# Altium PCB Fastino-DIOT.PCBDOC (part 18 of 22)
Units mm, origin at the board's own origin, x right, y up, seen from the top; angles counter-clockwise.
Board outline 222.63 x 100.1 mm, 8 copper layers (L1, L2, L3, P4, L5, L6, P7, L8), stack 1.563 mm thick; 1030 components, 787 nets, 3312 pads, 2498 vias.
Unrouted connection lines stored in the file: 424.
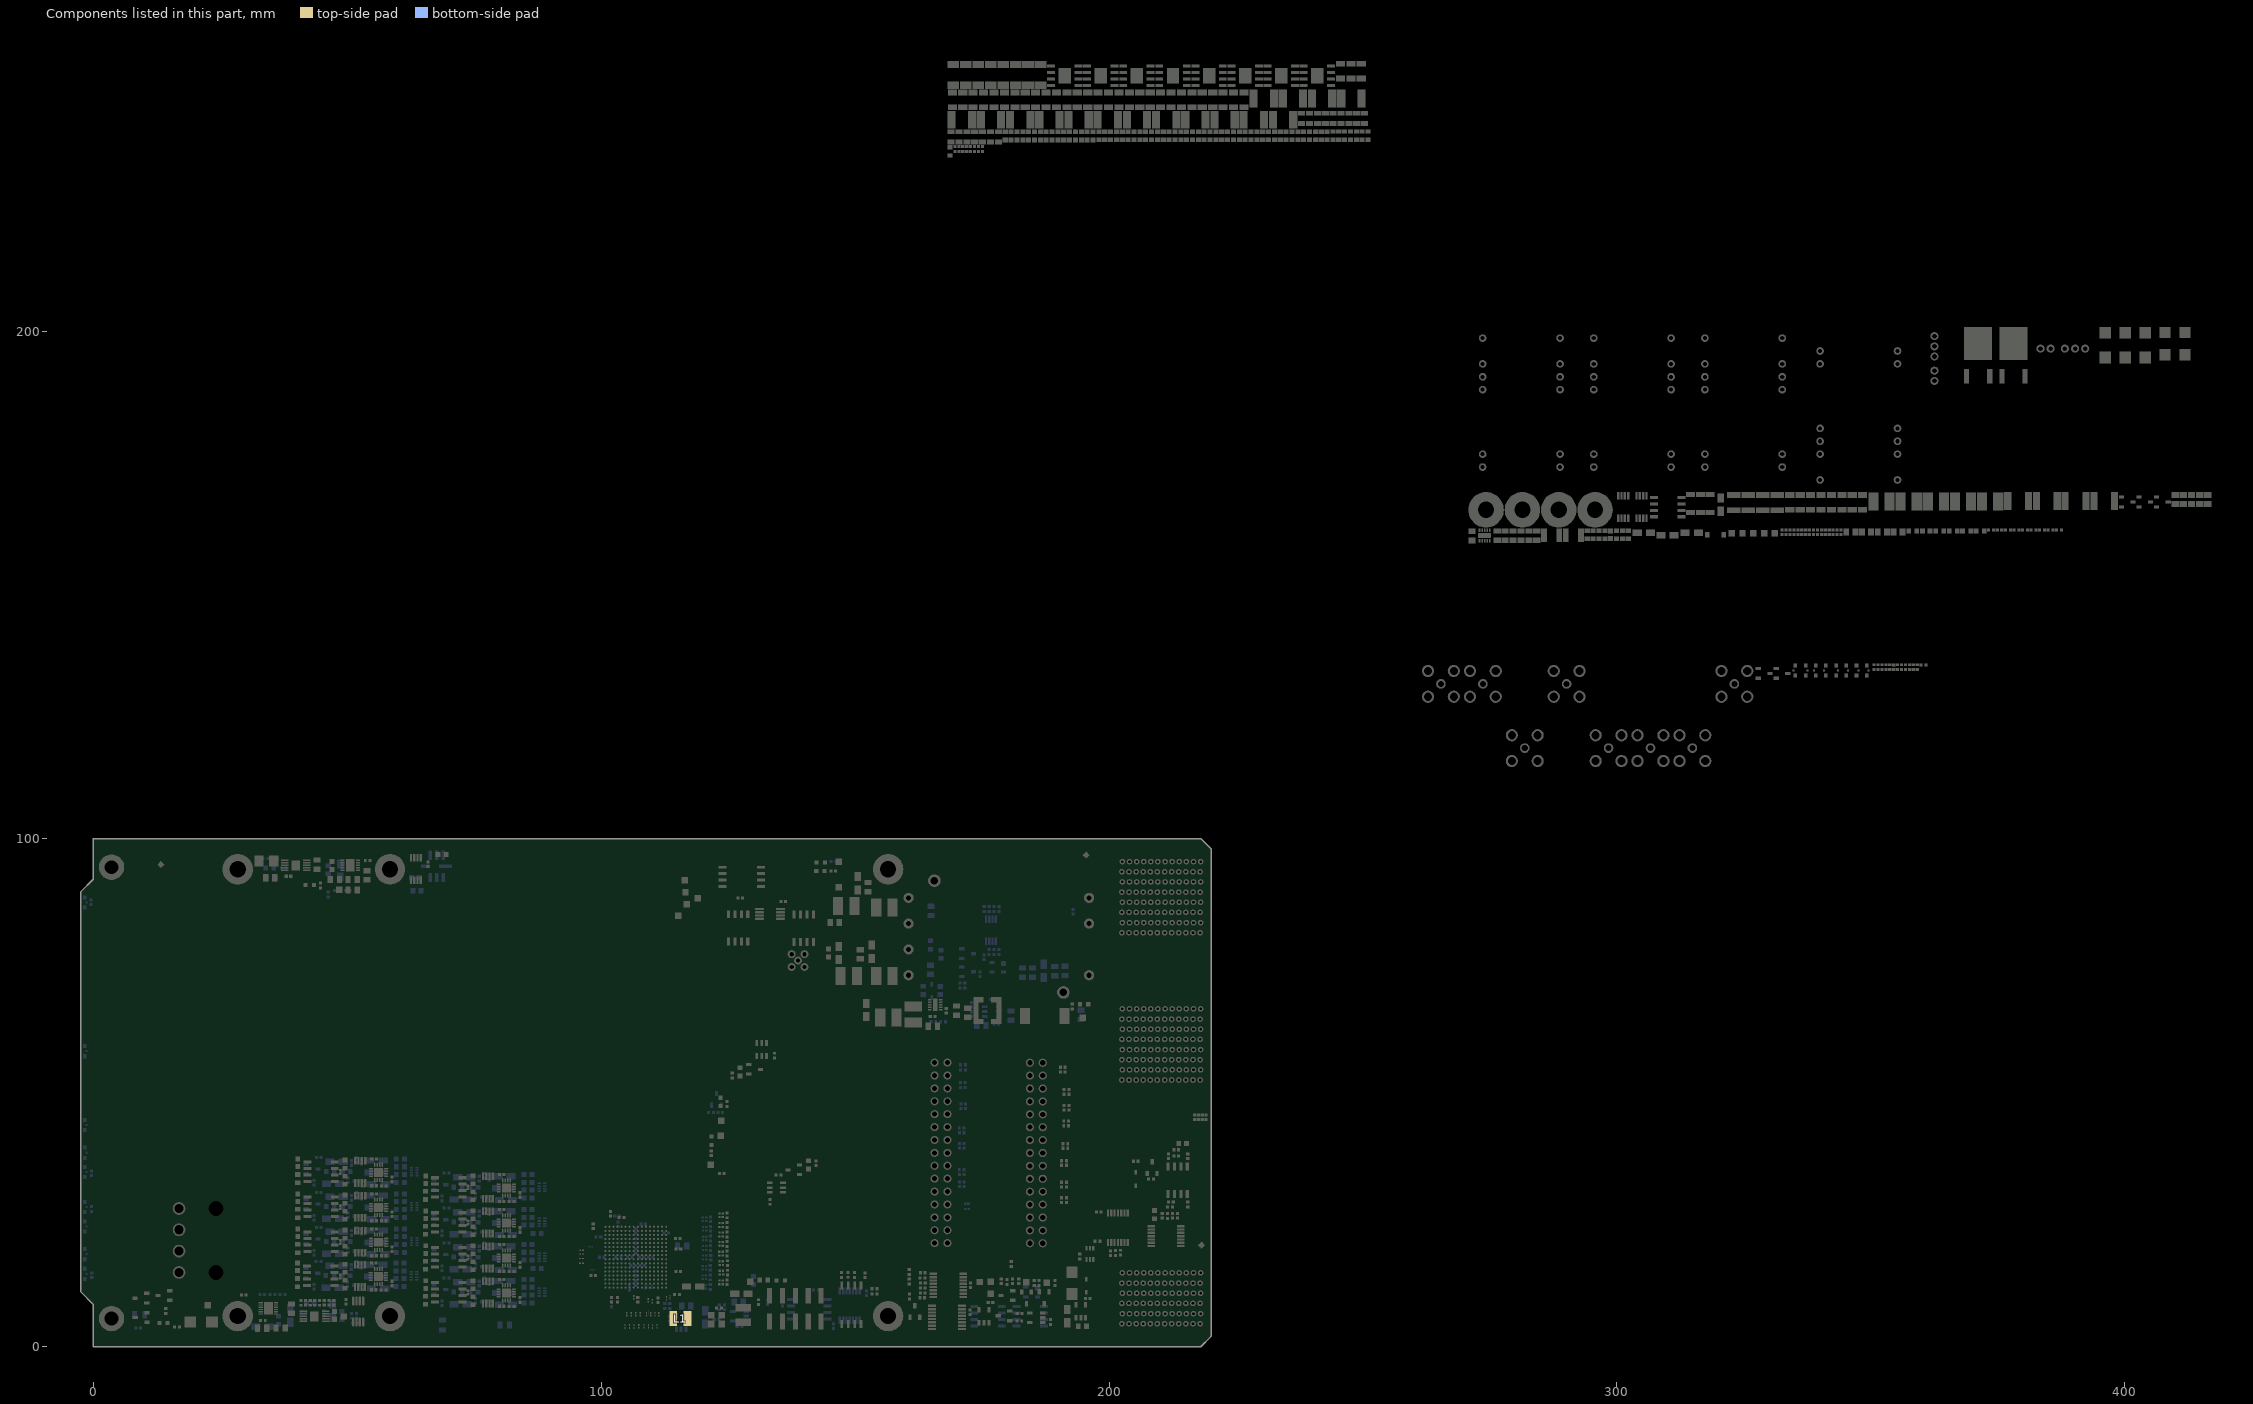
[diagram p24: the components of this part, seen from the top]

## Via types
v1: diameter 0.4, hole 0.2, L1 to L8, tented both sides, 1919 vias
v2: diameter 0.5, hole 0.2, L1 to L8, tented both sides, 270 vias
v3: diameter 0.4, hole 0.2, L1 to L8, 170 vias
v4: diameter 0.7, hole 0.4, L1 to L8, tented both sides, 110 vias
v5: diameter 0.7, hole 0.4, L1 to L8, 29 vias

## Nets (pads, with @x,y where several pads share a name; then routed paths per layer and width w, separated by ;. In a path a pad name is that pad's centre, name@x,y a point inside that pad or via, vN(x,y) a via of type N, cw(c..) or ccw(c..) an arc to the next point about the centre after c; other vN are vias at no path point) (continued)
copper on no net: (continued)
  L2 w0.152: v1(0.822,80.594) 0.447,80.219 0.447,63.663 0.734,63.375 0.734,54.726 0.167,54.159 0.167,46.375 0.432,46.111 0.432,39.356 0.308,39.232 0.308,32.703 0.167,32.563 0.167,29.007 0.483,28.692 0.483,23.1 1.502,22.081 1.502,17.571 1.224,17.293 v1(1.224,17.243) ; v1(1.507,23.041) 1.554,23.088 1.554,23.285 1.762,23.493 1.762,28.613 2.207,29.058 2.207,34.219 2.064,34.363 2.064,49.239 2.207,49.383 2.207,56.831 2.226,56.85 2.226,72.398 2.019,72.605 2.019,79.248 v1(2.35,79.578) ; v1(2.042,23.079) 2.042,28.498 2.487,28.943 2.487,34.335 2.343,34.479 2.343,49.124 2.487,49.267 2.487,56.715 2.505,56.734 2.505,60.474 2.746,60.715 v1(2.746,60.782) ; v1(2.848,23.079) 2.848,23.082 3.15,23.384 3.15,35.12 3.108,35.161 3.108,46.833 3.185,46.909 3.185,59.638 v1(3.553,60.006) ; v1(4.048,40.98) 4.001,40.932 4.001,40.579 3.645,40.223 3.645,39.886 3.854,39.676 3.854,29.58 4.089,29.345 v1(4.089,23.063) ; v1(4.08,75.489) v1(4.08,82.321) ; v1(4.953,23.079) 5.961,24.087 5.961,32.522 5.591,32.892 5.591,39.056 5.886,39.351 v1(5.886,39.367) ; v1(8.821,60.663) 8.821,61.111 9.392,61.681 9.392,63.336 9.451,63.395 9.451,67.812 8.966,68.298 8.966,74.387 9.83,75.251 v1(9.83,81.407) ; v1(9.017,59.628) 9.417,60.028 9.417,61.275 9.671,61.529 9.671,63.22 9.73,63.279 9.73,67.928 9.245,68.413 9.245,73.634 10.389,74.778 v1(10.389,81.001) ; v1(12.751,58.75) v1(12.751,61.097) ; v1(13.494,62.756) 13.494,62.689 13.592,62.591 13.592,62.183 13.86,61.915 14.239,61.915 14.249,61.925 19.228,61.925 20.879,63.576 21.195,63.576 21.783,64.165 22.677,64.165 23.348,63.494 23.348,63.175 23.258,63.086 22.567,63.086 23.348,62.306 23.348,61.911 23.615,61.643 25.626,61.643 26.924,62.941 26.924,67.462 27.475,68.013 28.803,69.341 28.981,69.52 28.981,77.292 29.334,77.645 29.334,81.886 30.937,83.489 30.937,84.963 33.553,87.579 36.932,87.579 43.291,81.22 45.03,81.22 46.525,79.725 55.95,79.725 56.52,80.295 58.02,80.295 58.55,80.825 60.12,80.825 62.434,78.511 66.498,78.511 69.216,75.794 80.112,75.794 80.721,76.403 83.147,76.403 83.15,76.4 83.236,76.314 83.447,76.314 83.541,76.22 85.161,76.22 86.385,77.445 90.025,77.445 93.375,74.095 95.779,74.095 95.945,73.93 v2(96.039,73.93) ; v1(14.021,62.738) 14.021,62.671 13.897,62.547 13.897,62.309 13.986,62.22 14.113,62.22 14.122,62.23 19.102,62.23 20.753,63.881 21.068,63.881 21.657,64.47 22.803,64.47 23.652,63.62 23.652,63.175 23.742,63.086 24.432,63.086 ; v1(14.199,37.236) 14.266,37.236 14.377,37.348 15.187,37.348 18.477,40.638 20.005,40.638 20.273,40.906 20.273,41.472 20.517,41.716 v1(20.517,41.758) ; v1(14.199,37.763) 14.266,37.763 14.377,37.652 15.061,37.652 18.351,40.943 19.879,40.943 19.968,41.032 v1(19.968,41.779) ; v1(14.224,83.637) 14.157,83.637 14.046,83.748 13.795,83.748 13.706,83.658 13.706,83.532 13.884,83.354 13.884,82.316 13.581,82.014 13.581,81.2 17.181,77.6 19.936,77.6 21.158,76.378 21.158,72.263 21.286,72.136 21.332,72.09 22.803,72.09 23.652,71.24 23.652,70.795 23.742,70.706 ; v1(14.224,84.163) 14.157,84.163 14.046,84.052 13.669,84.052 13.401,83.785 13.401,83.406 13.579,83.228 13.579,82.443 13.276,82.14 13.276,81.074 17.055,77.295 19.81,77.295 20.853,76.252 20.853,72.137 21.205,71.785 22.677,71.785 23.078,71.384 23.348,71.114 23.348,70.795 23.258,70.706 ; 14.275,44.981 16.512,44.981 16.557,44.936 17.123,44.936 17.169,44.981 18.658,44.981 19.301,45.624 19.606,45.624 19.717,45.513 v1(19.784,45.513) ; 14.275,45.286 16.602,45.286 16.673,45.215 17.007,45.215 17.078,45.286 18.532,45.286 19.175,45.929 19.606,45.929 19.717,46.04 v1(19.784,46.04) ; v1(14.326,57.236) 14.259,57.236 14.148,57.348 13.771,57.348 13.503,57.615 13.503,58.308 14.2,59.005 16.55,59.005 16.572,59.026 17.032,59.026 18.147,57.911 19.664,57.911 19.841,58.089 19.841,58.246 v1(19.888,58.293) ; v1(14.326,57.763) 14.259,57.763 14.148,57.652 13.897,57.652 13.808,57.742 13.808,58.182 14.326,58.7 16.55,58.7 16.572,58.722 16.906,58.722 18.021,57.607 19.79,57.607 20.056,57.873 20.213,57.873 v1(20.261,57.92) ; v1(14.351,63.636) 13.783,63.636 13.404,64.015 13.404,64.863 13.971,65.43 17.368,65.43 17.505,65.294 19.99,65.294 20.101,65.405 v1(20.168,65.405) ; v1(14.351,64.163) 14.304,64.116 14.014,64.116 13.95,64.052 13.798,64.052 13.709,64.142 13.709,64.737 14.097,65.126 17.242,65.126 17.378,64.989 19.99,64.989 20.101,64.878 v1(20.168,64.878) ; v1(19.199,35.69) 19.266,35.69 19.498,35.922 19.745,35.922 19.915,36.092 21.615,36.092 21.667,36.144 25.332,36.144 27.534,33.943 27.534,31.749 28.054,31.229 28.575,30.708 28.575,23.474 33.556,18.493 34.429,18.493 34.561,18.626 35.129,18.626 35.307,18.447 35.433,18.447 36.532,19.546 ; v1(19.533,43.809) 19.533,43.827 19.626,43.92 20.221,43.92 20.752,44.451 20.752,45.415 21.781,46.445 25.132,46.445 29.305,42.272 30.759,40.818 30.759,35.637 32.829,33.567 32.968,33.428 34.555,33.428 34.688,33.561 35.002,33.561 35.092,33.472 35.092,33.345 33.992,32.246 ; v1(19.533,44.336) 19.533,44.318 19.626,44.225 20.095,44.225 20.447,44.577 20.447,45.541 21.655,46.75 25.259,46.75 29.629,42.38 31.064,40.944 31.064,35.763 33.094,33.733 34.429,33.733 34.561,33.866 35.129,33.866 35.307,33.687 35.433,33.687 36.532,34.786 36.532,34.367 36.093,33.928 36.093,33.916 35.997,33.82 35.997,33.693 36.086,33.604 36.876,33.604 38.883,35.612 38.883,43.479 40.006,44.602 45.619,44.602 46.559,45.542 58.114,45.542 58.366,45.291 58.481,45.175 62.915,45.175 63.316,44.774 69.196,44.774 70.328,43.642 71.303,43.642 71.578,43.917 71.578,44.399 70.955,45.023 70.423,45.023 70.258,44.857 v2(70.164,44.857) ; v1(19.558,37.636) 19.625,37.636 19.736,37.748 20.143,37.748 20.411,38.015 20.411,38.254 20.477,38.319 ; v1(19.558,38.163) 19.625,38.163 19.736,38.052 20.017,38.052 20.106,38.142 20.106,38.38 20.528,38.801 27.842,38.801 29.534,37.109 29.534,32.675 33.556,28.653 34.426,28.653 35.35,27.729 35.35,26.72 35.44,26.631 35.578,26.631 36.114,27.166 36.916,27.166 37.541,27.791 37.541,28.445 ; v1(19.572,35.318) 20.041,35.787 21.742,35.787 21.794,35.839 25.206,35.839 27.229,33.817 27.229,31.623 27.731,31.121 28.27,30.582 28.27,23.348 33.43,18.188 34.555,18.188 34.688,18.321 35.002,18.321 35.092,18.232 35.092,18.105 33.992,17.006 ; v1@19.587,55.885 v1(19.587,55.952) 19.52,55.952 19.409,56.064 17.436,56.064 16.096,54.724 16.096,51.214 16.358,50.952 17.196,50.114 26.493,50.114 31.75,55.371 31.75,58.445 32.644,59.34 35.326,59.34 36.532,60.546 36.532,60.154 36.128,59.75 36.128,59.711 35.997,59.58 35.997,59.453 36.086,59.364 36.805,59.364 36.967,59.526 38.38,59.526 39.734,60.88 45.051,60.88 46.265,59.666 51.525,59.666 52.099,59.092 55.636,59.092 56.469,59.925 57.788,59.925 58.049,60.186 61.276,60.186 64.185,57.277 65.583,57.277 67.385,55.475 73.103,55.475 73.833,56.205 83.401,56.205 83.691,55.916 83.756,55.85 84.533,55.85 84.552,55.869 85.866,55.869 87.629,54.106 87.629,52.6 89.913,50.317 97.484,50.317 97.739,50.571 97.739,52.213 96.517,53.435 96.298,53.435 96.133,53.27 v2(96.039,53.27) ; v1(19.686,47.486) 19.753,47.486 19.892,47.348 20.333,47.348 21.017,48.031 27.889,48.031 29.413,46.507 32.207,43.713 32.207,42.239 33.094,41.353 34.429,41.353 34.561,41.486 35.129,41.486 35.307,41.307 35.433,41.307 36.532,42.406 ; v1(19.784,46.875) 19.83,46.875 19.998,47.043 20.459,47.043 21.143,47.727 27.763,47.727 29.09,46.4 31.902,43.587 31.902,42.113 32.967,41.048 34.555,41.048 34.688,41.181 35.002,41.181 35.092,41.092 35.092,40.965 33.992,39.866 ; v1@20.136,55.864 v1(20.136,55.931) 20.136,55.974 19.741,56.369 17.31,56.369 15.791,54.85 15.791,51.088 15.97,50.909 17.07,49.809 26.619,49.809 32.055,55.245 32.055,58.319 32.77,59.035 34.285,59.035 34.374,58.946 34.374,58.78 33.992,58.398 33.992,58.006 34.876,58.89 35.927,58.89 36.096,59.059 36.931,59.059 37.093,59.221 38.506,59.221 39.86,60.575 44.925,60.575 46.139,59.361 51.399,59.361 51.973,58.787 55.762,58.787 56.595,59.62 57.914,59.62 58.175,59.881 61.15,59.881 64.059,56.972 65.457,56.972 67.259,55.17 73.23,55.17 73.959,55.9 83.275,55.9 83.63,55.545 84.685,55.545 84.705,55.565 85.74,55.565 87.324,53.98 87.324,52.474 89.786,50.012 97.611,50.012 98.044,50.445 98.044,52.34 96.643,53.74 96.298,53.74 96.133,53.905 v2(96.039,53.905) ; 20.492,38.335 20.654,38.496 27.716,38.496 29.23,36.982 29.23,32.549 33.43,28.348 34.3,28.348 35.046,27.602 35.046,26.11 34.432,25.497 34.432,25.484 33.992,25.045 33.992,24.626 35.322,25.956 36.812,25.956 37.846,26.99 37.846,28.445 ; v1(20.565,54.254) 20.565,54.187 20.676,54.076 20.676,53.7 22.788,51.587 27.026,51.587 31.115,55.677 31.115,59.69 32.224,60.799 32.224,65.625 33.274,66.675 33.516,66.675 33.546,66.705 34.235,66.705 34.265,66.675 34.518,66.675 34.767,66.924 34.893,66.924 35.092,66.725 33.992,65.626 ; v1(21.091,54.254) 21.091,54.187 20.98,54.076 20.98,53.826 22.914,51.892 26.899,51.892 30.81,55.803 30.81,59.816 31.919,60.925 31.919,65.751 32.098,65.93 32.949,66.781 33.058,66.891 33.148,66.98 33.39,66.98 33.419,67.01 34.362,67.01 34.391,66.98 34.64,67.229 35.019,67.229 35.302,66.946 ; 22.028,25.415 22.23,25.415 ; 22.23,58.006 23.329,59.105 23.455,59.105 23.634,58.927 24.201,58.927 24.334,59.059 25.24,59.059 26.153,59.973 26.153,60.544 28.296,62.686 28.296,67.183 29.972,68.859 29.972,75.717 30.48,76.225 30.48,80.288 30.975,80.783 31.132,80.783 v1(31.18,80.831) 31.21,80.861 31.21,81.807 32.404,83.001 32.404,83.864 32.448,83.909 32.949,84.409 32.999,84.459 37.555,84.459 43.17,78.845 45.248,78.845 45.374,78.72 57.095,78.72 57.67,79.295 58.729,79.295 61.393,76.632 65.329,76.632 68.586,73.375 68.586,72.13 69.85,70.866 71.214,70.866 71.658,71.31 71.658,72.232 71.034,72.856 70.423,72.856 70.258,73.021 v2(70.163,73.021) ; 22.23,70.706 23.258,70.706 ; 22.23,73.246 23.212,74.229 23.212,74.633 23.079,74.767 23.079,75.146 23.343,75.409 23.343,76.501 24.121,77.28 24.65,77.28 ccw(c24.77,78.326) 24.89,77.28 26.479,77.28 26.568,77.369 26.568,78.815 27.354,79.601 27.354,85.523 31.874,90.043 39.544,90.043 41.708,87.878 43.962,87.878 44.004,87.836 51.049,87.836 51.35,88.138 54.912,88.138 55.6,87.45 61.599,87.45 65,84.049 66.75,84.049 67.843,82.956 80.975,82.956 81.522,83.503 86.956,83.503 89.172,81.287 95.779,81.287 95.945,81.452 v2(96.039,81.452) ; 22.23,80.866 22.23,81.041 22.905,81.716 22.905,81.913 22.77,82.048 21.667,82.048 20.561,83.155 20.561,85.231 20.345,85.446 20.345,86.268 20.066,86.548 19.533,86.548 19.422,86.436 v1(19.355,86.436) 19.288,86.436 19.177,86.548 18.769,86.548 18.502,86.815 18.502,86.985 18.491,86.996 18.491,87.375 25.298,94.182 25.298,95.249 26.722,96.672 33.985,96.672 38.532,92.126 43.074,92.126 43.839,91.361 53.444,91.361 54.102,90.702 57.01,90.702 57.474,90.238 60.46,90.238 61.031,89.667 63.036,89.667 63.332,89.963 65.612,89.963 65.811,89.764 66.079,89.764 66.254,89.589 66.588,89.589 66.763,89.764 78.983,89.764 79.741,90.522 83.315,90.522 85.665,88.173 95.779,88.173 95.945,88.338 v2(96.039,88.338) ; 22.509,78.606 23.148,78.606 23.368,78.386 23.368,77.623 ; 23.353,77.638 22.962,77.247 21.635,77.247 21.514,77.368 20.904,77.978 20.904,78.766 21.543,79.405 25.607,79.405 26.7,80.498 26.7,86.264 31.216,90.78 40.274,90.78 40.938,90.115 42.774,90.115 43.38,89.51 51.64,89.51 52.042,89.108 56.117,89.108 57.18,88.045 65.6,88.045 67.32,86.325 69.904,86.325 70.069,86.16 v2(70.163,86.16) ; 24.77,60.546 23.671,59.447 23.671,59.321 23.76,59.232 24.075,59.232 24.207,59.364 25.113,59.364 25.849,60.099 25.849,60.67 27.991,62.813 27.991,67.309 29.667,68.986 29.667,75.844 30.175,76.352 30.175,80.414 30.76,80.999 30.76,81.156 v1(30.807,81.203) 30.807,81.835 32.099,83.127 32.099,83.991 32.233,84.124 32.873,84.764 37.682,84.764 43.296,79.15 45.375,79.15 45.5,79.025 56.968,79.025 57.544,79.6 58.855,79.6 61.519,76.937 65.455,76.937 68.891,73.501 68.891,72.256 69.976,71.171 71.088,71.171 71.353,71.437 71.353,72.106 70.908,72.552 70.423,72.552 70.258,72.386 v2(70.163,72.386) ; 24.77,63.086 24.432,63.086 ; 24.77,70.706 23.742,70.706 ; 24.77,75.786 23.787,74.804 23.473,74.804 23.384,74.893 23.384,75.019 23.647,75.283 23.647,76.375 24.247,76.975 26.605,76.975 26.873,77.243 26.873,78.689 27.659,79.475 27.659,85.397 32,89.738 39.418,89.738 41.582,87.574 43.835,87.574 43.877,87.532 51.175,87.532 51.477,87.833 54.786,87.833 55.474,87.145 61.472,87.145 64.874,83.744 66.624,83.744 67.716,82.652 81.101,82.652 81.648,83.198 86.83,83.198 89.046,80.982 95.779,80.982 95.945,80.817 v2(96.039,80.817) ; 24.77,78.326 23.762,78.326 23.673,78.237 23.673,77.527 23.088,76.942 21.509,76.942 21.33,77.121 20.599,77.852 20.599,78.892 21.417,79.71 25.481,79.71 26.396,80.625 26.396,86.39 31.09,91.084 40.4,91.084 41.064,90.42 42.901,90.42 43.506,89.814 51.767,89.814 52.168,89.413 56.243,89.413 57.306,88.35 65.726,88.35 67.447,86.63 69.904,86.63 70.069,86.795 v2(70.163,86.795) ; 24.77,83.406 23.492,82.128 23.121,82.128 22.896,82.353 21.794,82.353 20.866,83.281 20.866,85.357 20.65,85.573 20.65,86.394 20.192,86.852 19.533,86.852 19.422,86.963 v1(19.355,86.963) 19.288,86.963 19.177,86.852 18.896,86.852 18.806,86.942 18.806,87.112 18.796,87.122 18.796,87.249 25.602,94.055 25.602,95.122 26.848,96.368 33.859,96.368 38.406,91.821 42.948,91.821 43.713,91.056 53.318,91.056 53.976,90.398 56.884,90.398 57.348,89.933 60.334,89.933 60.727,89.541 60.905,89.362 63.162,89.362 63.458,89.658 65.486,89.658 65.685,89.459 65.989,89.459 66.138,89.31 66.704,89.31 66.853,89.459 79.109,89.459 79.868,90.218 83.189,90.218 85.36,88.047 85.538,87.868 95.779,87.868 95.945,87.703 v2(96.039,87.703) ; v1(30.734,74.346) 30.781,74.393 30.938,74.393 31.487,74.942 31.487,80.247 33.44,82.2 35.326,82.2 36.532,83.406 36.532,82.987 36.093,82.548 36.093,82.536 35.997,82.44 35.997,82.313 36.086,82.224 37.095,82.224 38.938,80.381 38.938,79.679 43.967,74.65 45.131,74.65 46.251,73.531 52.125,73.531 52.576,73.08 55.924,73.08 56.549,73.705 57.93,73.705 58.75,74.525 62.081,74.525 67.442,69.164 78.829,69.164 79.537,69.872 82.97,69.872 83.227,69.615 92.258,69.615 96.045,65.828 97.274,65.828 97.363,65.918 97.363,66.721 96.875,67.209 96.298,67.209 96.133,67.044 v2(96.039,67.044) ; v1(31.107,73.973) 31.154,74.021 31.154,74.178 31.792,74.816 31.792,80.12 33.566,81.895 34.285,81.895 34.374,81.806 34.374,81.64 33.992,81.258 33.992,80.866 34.876,81.75 35.927,81.75 36.096,81.919 36.969,81.919 38.633,80.255 38.633,79.553 43.841,74.345 45.005,74.345 46.124,73.226 51.999,73.226 52.449,72.775 56.05,72.775 56.675,73.4 58.056,73.4 58.876,74.22 61.955,74.22 67.316,68.859 78.956,68.859 79.664,69.567 82.844,69.567 83.101,69.31 92.132,69.31 95.919,65.524 97.4,65.524 97.668,65.791 97.668,66.847 97.002,67.513 96.298,67.513 96.133,67.679 v2(96.039,67.679) ; v1(31.347,66.921) 31.37,66.921 31.56,67.11 31.89,67.11 32.436,67.656 32.436,68.351 31.318,69.469 31.318,72.415 32.796,73.893 32.796,74.292 ; v1(31.347,67.604) 31.37,67.604 31.56,67.415 31.763,67.415 32.131,67.782 32.131,68.225 31.687,68.669 31.013,69.343 31.013,72.542 32.491,74.02 32.491,74.418 32.67,74.597 32.796,74.597 ; 33.992,14.466 35.046,13.413 37.467,13.413 37.9,13.847 37.9,19.353 42.342,23.795 55.31,23.795 56.28,24.765 57.61,24.765 58.225,24.15 59.998,24.15 61.263,25.415 61.771,25.415 61.773,25.413 64.732,25.413 66.878,27.559 76.225,27.559 76.987,28.321 83.047,28.321 83.409,27.958 83.961,27.958 84.209,27.71 85.035,27.71 85.396,28.07 85.396,29.719 88.453,32.776 95.779,32.776 95.945,32.611 v2(96.039,32.611) ; 33.992,22.086 35.043,22.086 36.096,23.139 37.057,23.139 37.107,23.09 37.453,23.09 40.785,26.422 40.785,31.057 43.009,33.28 45.054,33.28 46.134,32.2 50.525,32.2 51.283,31.442 54.986,31.442 55.819,32.275 57.7,32.275 58.286,32.861 64.053,32.861 65.863,34.671 71.145,34.671 71.933,35.458 71.933,36.881 70.678,38.136 70.423,38.136 70.258,37.971 v2(70.164,37.971) ; 33.992,37.326 34.269,37.049 34.942,37.049 35.11,36.881 35.11,36.4 35.606,35.903 37.401,35.903 38.075,36.577 38.075,47.931 41.503,51.359 55.321,51.359 56.134,52.172 57.753,52.172 57.975,51.95 58.155,51.77 60.891,51.77 63.462,49.2 67.869,49.2 68.809,48.26 81.71,48.26 82.345,48.895 83.205,48.895 83.4,48.7 87.19,48.7 89.341,46.549 95.779,46.549 95.945,46.384 v2(96.039,46.384) v2@96.133,46.384 ; 33.992,55.466 35.021,55.466 35.11,55.377 35.11,54.299 35.905,53.504 37.121,53.504 38.227,54.61 38.227,56.565 38.939,57.277 ; 33.996,32.246 34.411,32.246 34.851,32.686 34.863,32.686 35.477,33.299 37.002,33.299 39.188,35.485 39.188,43.353 40.133,44.298 45.745,44.298 46.685,45.237 57.988,45.237 58.15,45.075 58.355,44.87 62.789,44.87 63.19,44.469 69.07,44.469 70.201,43.337 71.429,43.337 71.883,43.791 71.883,44.525 71.081,45.327 70.423,45.327 70.258,45.492 v2(70.164,45.492) ; 35.312,66.946 36.532,68.166 ; 36.45,22.072 36.52,22.072 37.233,22.785 37.579,22.785 41.09,26.296 41.09,30.93 43.135,32.975 44.928,32.975 46.003,31.9 50.396,31.9 ; 36.532,14.466 37.595,15.529 37.595,19.479 42.216,24.1 55.184,24.1 56.154,25.07 57.781,25.07 58.376,24.475 59.928,24.475 61.171,25.717 64.606,25.717 66.752,27.864 76.099,27.864 76.861,28.626 83.173,28.626 83.536,28.263 84.087,28.263 84.335,28.015 84.909,28.015 85.091,28.197 85.091,29.845 88.326,33.081 95.779,33.081 95.945,33.246 v2(96.039,33.246) ; 36.532,37.326 36.255,37.049 35.583,37.049 35.415,36.881 35.415,36.526 35.733,36.208 37.275,36.208 37.77,36.703 37.77,48.057 41.377,51.664 55.195,51.664 56.008,52.477 57.879,52.477 58.281,52.075 61.017,52.075 63.588,49.505 67.995,49.505 68.935,48.565 81.584,48.565 82.263,49.244 83.355,49.244 83.62,48.979 87.342,48.979 89.467,46.854 95.779,46.854 95.945,47.019 v2(96.039,47.019) v2@96.133,47.019 ; 36.532,55.466 35.504,55.466 35.415,55.377 35.415,54.425 36.031,53.809 36.995,53.809 37.922,54.736 37.922,56.691 38.813,57.582 ; 38.813,57.583 39.853,58.623 49.725,58.623 50.498,57.85 56.581,57.85 57.636,58.905 60.029,58.905 61.665,57.269 61.665,56.75 66.201,52.214 69.904,52.214 70.07,52.379 v2(70.164,52.379) ; 38.939,57.278 39.98,58.318 49.599,58.318 50.372,57.545 56.707,57.545 57.762,58.6 59.903,58.6 61.36,57.143 61.36,56.624 66.075,51.909 69.904,51.909 70.07,51.744 v2(70.164,51.744) ; 39.297,34.117 43.026,37.846 56.162,37.846 56.86,38.544 58.545,38.544 58.665,38.424 58.999,38.424 59.119,38.544 59.344,38.544 59.344,38.55 60.707,39.913 66.304,39.913 68.073,41.681 73.788,41.681 74.561,42.455 83.381,42.455 83.653,42.183 86.671,42.183 89.23,39.624 94.92,39.624 96.262,38.282 97.357,38.282 97.447,38.371 97.447,39.154 96.939,39.662 96.298,39.662 96.133,39.497 v2(96.039,39.497) ; 39.594,33.983 39.825,34.214 43.153,37.541 56.288,37.541 56.986,38.239 58.419,38.239 58.539,38.119 59.125,38.119 59.245,38.239 59.47,38.239 59.649,38.418 59.649,38.424 60.833,39.608 66.43,39.608 68.199,41.377 73.914,41.377 74.687,42.15 83.255,42.15 83.527,41.878 86.545,41.878 89.104,39.319 94.794,39.319 96.136,37.977 97.484,37.977 97.752,38.245 97.752,39.281 97.065,39.967 96.298,39.967 96.133,40.132 v2(96.039,40.132) ; v2(45.013,41.044) v2@45.107,41.044 ; v2(45.013,41.679) v2@45.107,41.679 ; v2(45.039,82.409) v2@45.133,82.409 ; v2(45.039,83.044) v2@45.133,83.044 ; 50.396,31.898 51.157,31.137 55.112,31.137 55.945,31.97 57.826,31.97 58.412,32.556 64.179,32.556 65.989,34.366 71.272,34.366 72.238,35.332 72.238,37.007 70.804,38.441 70.423,38.441 70.258,38.606 v2(70.164,38.606) ; v2(70.163,79.273) 70.069,79.273 69.904,79.438 69.263,79.438 68.056,80.645 64.897,80.645 59.322,86.22 57.366,86.22 56.185,85.039 50.343,85.039 49.276,83.972 47.73,83.972 45.907,85.795 44.295,85.795 44.05,85.55 41.603,85.55 38.507,88.646 32.689,88.646 29.273,85.23 29.273,83.604 28.499,82.829 28.499,78.69 27.864,78.055 27.864,71.37 25.785,69.291 24.228,69.291 23.348,70.172 23.348,70.617 23.258,70.706 ; v2(70.163,79.908) 70.069,79.908 69.904,79.743 69.389,79.743 68.182,80.95 65.023,80.95 59.448,86.525 57.24,86.525 56.059,85.344 50.217,85.344 49.15,84.277 47.856,84.277 46.033,86.1 44.169,86.1 43.924,85.855 41.729,85.855 38.633,88.951 32.563,88.951 28.968,85.356 28.968,83.73 28.194,82.956 28.194,78.816 27.559,78.181 27.559,71.496 25.659,69.596 24.355,69.596 23.652,70.298 23.652,70.617 23.742,70.706 ; v2(96.039,74.565) 95.945,74.565 95.779,74.4 93.501,74.4 90.152,77.749 86.259,77.749 85.034,76.525 83.667,76.525 83.573,76.619 83.362,76.619 83.273,76.708 80.595,76.708 79.985,76.098 69.342,76.098 66.624,78.816 62.56,78.816 60.247,81.13 58.424,81.13 57.894,80.6 56.394,80.6 55.824,80.03 46.651,80.03 45.156,81.525 43.417,81.525 37.058,87.884 33.426,87.884 30.721,85.179 30.632,85.09 30.632,83.616 29.029,82.013 29.029,77.771 28.677,77.418 28.677,69.646 27.17,68.139 26.619,67.589 26.619,63.067 25.5,61.948 23.742,61.948 23.652,62.037 23.652,62.306 24.432,63.086
  L2 w0.203: v1@53.973,6.59 53.973,6.525 56.726,3.771 59.798,3.771 60.141,4.115 61.493,4.115 62.182,3.426 66.229,3.426 66.309,3.505 v1(70.409,3.505)
  L2 w0.254: v2(46.029,69.855) 48.419,67.466 50.975,67.466 51.038,67.529 53.594,67.529 54.048,67.075 54.653,67.075 55.211,67.633 57.371,67.633 v1(57.383,67.645) ; v2(46.029,76.742) 48.422,74.349 50.957,74.349 51.024,74.416 53.559,74.416 54.025,73.95 54.641,73.95 55.211,74.52 57.371,74.52 v1(57.383,74.532) ; v2(46.029,83.628) 48.374,81.283 50.933,81.283 50.994,81.344 53.553,81.344 54.046,80.85 54.655,80.85 55.211,81.406 57.371,81.406 v1(57.383,81.419) ; v2(71.154,39.19) 73.486,36.859 76.006,36.859 76.105,36.958 78.625,36.958 78.861,36.722 78.861,36.639 79.1,36.4 79.885,36.4 80.453,36.968 82.496,36.968 v1(82.508,36.98) ; v2(71.154,46.077) 73.489,43.742 76.006,43.742 76.108,43.845 78.625,43.845 79.195,43.275 79.757,43.275 80.336,43.854 82.496,43.854 v1(82.508,43.867) ; v2(71.154,52.963) 73.522,50.595 78.761,50.595 79.156,50.2 79.795,50.2 80.336,50.741 82.496,50.741 v1(82.508,50.753) ; v2(71.154,59.85) 73.522,57.482 78.761,57.482 79.168,57.075 79.783,57.075 80.336,57.628 82.496,57.628 v1(82.508,57.64) ; v2(71.154,66.736) 73.522,64.369 78.761,64.369 79.179,63.95 79.8,63.95 80.336,64.486 80.336,64.514 82.496,64.514 v1(82.508,64.527) ; v2(71.154,73.606) 73.48,71.279 78.719,71.279 79.148,70.85 79.802,70.85 80.336,71.383 82.495,71.383 v1(82.508,71.396) ; v2(71.154,80.492) 73.487,78.159 75.963,78.159 76.064,78.26 78.54,78.26 79.1,77.7 79.766,77.7 80.336,78.27 82.495,78.27 v1(82.508,78.282) ; v2(71.154,87.379) 73.48,85.053 78.719,85.053 79.172,84.6 79.779,84.6 80.336,85.157 82.495,85.157 v1(82.508,85.169) ; v1(92.108,94.267) 95.192,94.267 v1(96.19,93.269) ; v2(97.029,54.49) 99.355,52.163 104.037,52.163 104.475,51.725 105.908,51.725 106.45,52.267 108.371,52.267 v1(108.383,52.28) ; v2(97.029,61.376) 99.397,59.008 104.636,59.008 105.075,58.569 105.626,58.569 106.211,59.154 108.371,59.154 v1(108.383,59.166) ; v2(97.029,68.263) 99.402,65.89 104.641,65.89 105.056,65.475 105.645,65.475 106.211,66.041 108.371,66.041 v1(108.383,66.053) ; v2(97.029,75.149) 99.261,72.917 104.32,72.917 104.912,72.325 105.609,72.325 106.211,72.927 108.371,72.927 v1(108.383,72.94) ; v2(97.029,82.036) 99.397,79.668 104.455,79.668 104.874,79.25 105.647,79.25 106.211,79.814 108.371,79.814 v1(108.383,79.826) ; v2(97.029,88.923) 99.402,86.55 104.461,86.55 104.91,86.1 105.85,86.1 106.45,86.7 108.371,86.7 v1(108.383,86.713)
  L2 w0.381: v1(91.364,93.701) 91.367,93.704 91.367,94.258 91.894,94.784 95.441,94.784 96.899,96.242 98.864,96.242 99.061,96.045 v1(101.031,96.045)
  L2 w0.508: v1@104.47,94.412 103.734,95.148 101.956,95.148 101.448,94.64 101.448,92.634 102.057,92.024 105.962,92.024 106.288,92.35 109.984,92.35 111.506,90.829 111.506,60.604 110.007,59.106 108.483,59.106 v1@108.382,59.207 ; v1(105.385,94.31) 105.385,94.064 106.459,92.989 110.244,92.989 112.141,91.092 112.141,53.13 111.158,52.146 108.56,52.146 v1@108.382,52.324
  L6 w0.127: v1@58.344,48.946 58.42,48.946 61.519,45.847 61.519,36.576 68.174,29.921 68.174,28.6 69.215,27.559 71.171,27.559 72.136,26.594 72.136,21.819 74.727,19.228 74.727,15.977 77.14,13.564 79.493,13.564 81.144,11.913 82.093,11.913 82.955,11.05 84.352,11.05 89.027,6.375 v1(89.027,6.147) ; v1@58.344,49.632 58.649,49.632 62.687,45.593 62.687,37.135 69.85,29.972 70.333,29.972 72.796,27.509 72.796,22.175 75.564,19.406 75.564,16.485 77.572,14.478 80.289,14.478 81.061,13.707 83.118,13.707 83.148,13.736 83.66,13.736 84.328,13.068 84.328,12.065 89.662,6.731 v1(89.662,6.172) ; v1@58.344,61.9 58.344,61.443 60.858,58.928 60.858,49.936 64.643,46.152 64.643,42.24 72.746,34.138 72.746,33.579 73.076,33.249 73.076,31.714 72.862,31.5 72.862,29.906 74.625,28.143 74.625,22.581 75.768,21.438 77.191,21.438 79.755,18.873 79.755,18.673 79.898,18.531 79.898,18.523 80.26,18.161 80.26,17.759 81.051,16.967 81.051,16.358 81.94,15.469 85.014,15.469 85.928,14.554 85.928,12.957 92.865,6.02 93.28,6.02 94.6,4.7 97.308,4.7 v1(98.476,5.867) ; v1@58.369,48.108 58.395,48.108 60.147,46.355 60.147,36.627 67.158,29.616 67.158,28.245 68.529,26.873 68.529,24.486 70.79,22.225 70.79,21.514 70.841,21.514 74.29,18.064 74.29,15.296 76.835,12.751 78.334,12.751 79.172,11.913 79.172,10.802 81.43,8.544 85.995,8.544 v1(88.392,6.147) ; v1@58.369,62.738 58.401,62.738 62.179,58.96 62.179,51.105 65.557,47.727 65.557,44.145 68.275,41.427 70.841,41.427 72.085,40.183 72.085,36.119 74.171,34.033 74.171,29.715 75.564,28.322 75.564,23.477 76.867,22.174 77.8,22.174 81.356,18.618 81.356,18.159 82.04,17.475 82.855,17.475 83.257,17.073 84.781,17.073 86.944,14.91 86.944,13.31 89.109,11.144 89.854,11.144 90.998,10 90.998,9.11 92.37,7.738 92.789,7.738 93.463,7.064 93.463,6.696 95.084,5.075 96.82,5.075 v1(97.663,5.918) ; v1@58.369,76.53 58.382,76.53 62.306,72.606 62.306,65.278 67.92,59.665 67.92,55.982 68.732,55.169 70.739,55.169 72.492,53.416 72.492,50.47 74.473,48.489 74.473,43.612 77.267,40.818 77.419,40.818 79.12,39.117 79.12,33.082 80.01,32.192 80.01,28.241 80.581,27.67 80.629,27.67 81.585,26.714 81.585,24.817 81.942,24.46 82.728,24.46 83.261,23.927 83.617,23.927 87.925,19.619 87.925,18.485 90.46,15.95 90.927,15.95 91.221,15.656 91.221,13.84 91.589,13.471 91.907,13.471 92.713,12.665 93.678,12.665 93.939,12.405 93.939,12.206 94.158,11.986 v1(94.158,11.913) ; v1(58.374,63.426) 58.621,63.426 63.525,58.522 63.525,54.077 64.897,52.705 64.897,50.317 66.396,48.819 66.396,46.863 69.418,43.84 69.977,43.84 72.72,41.097 72.72,40.284 73,40.005 73,36.627 74.803,34.823 74.803,30.226 76.657,28.372 76.657,27.28 78.197,25.74 78.724,25.74 79.012,25.452 79.012,24.924 79.12,24.816 79.12,22.099 80.543,20.676 80.899,20.676 81.864,19.71 81.864,19.304 83.314,17.854 84.671,17.854 87.859,14.666 87.859,13.891 95.336,6.414 95.336,6.042 95.825,5.553 96.384,5.553 v1(96.799,5.969) ; v1(58.374,64.67) 65.049,57.995 65.049,55.22 66.065,54.204 66.065,50.673 68.351,48.387 70.815,48.387 72.263,46.939 72.263,43.104 74.346,41.021 74.346,37.49 74.371,37.465 74.371,36.779 75.564,35.586 75.564,30.364 76.439,29.489 76.937,29.489 77.851,28.575 77.851,27.432 79.934,25.349 79.934,22.708 82.019,20.623 83.67,20.623 87.425,16.867 87.425,15.975 88.798,14.602 88.798,13.904 95.987,6.715 v1(95.987,5.944) ; v1(58.374,78.444) 58.767,78.444 67.234,69.977 67.234,63.729 68.834,62.128 71.323,62.128 75.564,57.887 75.564,50.411 80.061,45.914 80.061,43.917 81.585,42.393 81.585,41.63 81.585,37.649 81.57,37.634 81.57,29.682 84.353,26.899 84.353,25.247 87.873,21.727 88.65,21.727 89.171,21.206 89.171,19.863 90.7,18.334 90.7,16.991 93.366,14.325 93.618,14.325 94.183,13.76 v1(94.183,13.691) ; v1@58.395,50.876 63.729,45.542 63.729,39.116 68.402,34.442 71.018,34.442 72.263,33.198 72.263,29.439 74.248,27.454 74.248,21.789 75.438,20.599 75.997,20.599 76.86,19.736 77.978,19.736 79.705,18.009 79.705,16.577 81.677,14.605 84.023,14.605 85.115,13.513 85.115,12.41 87.301,10.224 87.726,10.224 89.4,8.55 89.4,7.698 90.272,6.826 v1(90.272,6.172) ; v1@58.395,75.641 58.395,75.311 61.138,72.568 61.138,63.83 66.929,58.039 66.929,53.492 69.723,50.698 70.155,50.698 72.276,48.578 72.812,48.578 73.577,47.813 73.577,45.891 73.101,45.415 ; v1@58.42,77.241 58.485,77.177 58.764,77.177 63.271,72.669 63.271,69.088 65.913,66.446 65.913,62.967 68.859,60.02 68.859,58.217 69.571,57.506 70.104,57.506 71.095,56.515 72.314,56.515 74.17,54.658 74.17,50.036 75.438,48.768 75.438,43.916 79.755,39.599 79.755,37.618 81.041,36.332 81.041,28.763 82.626,27.178 82.626,25.534 83.419,24.741 83.794,24.741 88.392,20.142 88.392,19.412 89.639,18.165 89.807,18.165 90.065,17.907 90.065,16.984 90.825,16.225 91.107,16.225 91.532,15.799 91.532,15.307 93.336,13.503 93.627,13.503 93.913,13.217 93.913,13.095 94.132,12.875 v1(94.132,12.802) ; 73.076,45.415 73.076,43.917 75.362,41.631 75.362,37.059 76.759,35.662 76.759,34.592 79.012,32.338 79.012,32.214 79.019,32.207 79.019,27.813 81.051,25.781 81.051,22.784 82.414,21.422 83.828,21.422 89.713,15.537 89.713,14.469 91.491,12.691 91.926,12.691 92.645,11.971 92.645,11.756 93.416,10.984 v1(94.209,10.984) ; v1@83.337,72.568 83.366,72.539 v1(83.498,72.539) 87.151,72.539 93.599,66.091 93.599,29.701 94.925,28.375 94.925,26.356 v1(95.105,26.176) ; v1@83.363,59.665 83.381,59.647 v1(83.499,59.647) 87.394,59.647 91.389,55.651 91.389,29.464 91.929,28.924 v1(91.929,24.951) ; v1@83.439,47.904 83.642,47.701 88.113,47.701 89.883,45.931 89.883,28.892 90.899,27.876 90.899,25.43 91.787,24.542 92.041,24.542 92.222,24.361 93.414,24.361 93.576,24.199 93.629,24.199 95.551,22.276 95.551,21.571 95.953,21.17 95.953,20.214 95.925,20.186 95.925,19.261 96.392,18.794 97.258,18.794 97.875,18.177 v1(97.964,18.177) ; v1(83.448,89.03) 93.322,89.03 95.174,90.881 97.765,90.881 100.165,88.481 100.165,79.514 101.448,78.232 101.448,73.541 101.439,73.533 101.439,72.949 105.63,68.758 105.63,67.347 105.776,67.201 105.776,64.175 107.239,62.713 107.239,37.719 105.63,36.11 105.63,33.821 105.806,33.646 105.806,31.308 102.548,28.05 100.8,28.05 99.622,26.872 99.622,25.453 99.394,25.224 99.049,25.224 98.679,24.854 98.679,24.155 98.671,24.148 98.671,22.504 99.625,21.55 v1(99.625,20.3) ; v1@83.464,73.355 89.789,73.355 94.285,68.859 94.285,29.915 95.5,28.7 95.5,26 v1(95.775,25.725) ; v1(83.499,60.307) 90.848,60.307 92.183,58.972 92.183,28.617 93.8,27 v1(93.8,25.45) ; v1(83.498,74.063) 91.545,74.063 94.996,70.612 96.368,70.612 98.196,68.783 98.196,31.396 96.025,29.225 96.025,26.156 v1(97.055,25.126) ; v1(83.498,75.307) 92.714,75.307 95.123,72.898 96.037,72.898 98.577,70.358 98.577,69.647 98.984,69.24 98.984,65.258 99.452,64.79 99.452,62.789 98.737,62.075 98.737,58.706 99.452,57.991 99.452,55 98.771,54.32 98.771,51.75 99.452,51.07 99.452,48.028 98.771,47.348 98.771,44.804 99.452,44.123 99.452,41.157 99.001,40.707 99.001,37.728 99.452,37.278 99.452,35.243 98.984,34.775 98.984,31.467 96.525,29.008 96.525,27.825 96.385,27.684 96.385,26.638 96.825,26.198 v1(96.825,26.1) ; v1(83.498,86.312) 88.796,86.312 95.072,80.035 95.529,80.035 98.45,77.114 98.45,71.907 100.045,70.313 100.045,65.004 100.178,64.872 100.178,35.23 99.847,34.9 99.847,33.447 100.046,33.249 100.046,31.248 97.7,28.902 97.7,28.225 96.925,27.45 96.925,26.95 v1(96.775,26.8) ; v1@83.506,61.544 91.313,61.544 92.986,59.872 92.986,28.814 94.36,27.44 v1(94.36,24.257) ; v1@83.515,45.085 83.59,45.01 84.759,45.01 85.763,44.005 85.763,36.208 87.716,34.255 87.716,33.282 87.63,33.197 87.63,30.027 88.45,29.207 88.45,27.125 89.425,26.15 89.425,25.425 90.137,24.713 90.137,24.438 v1(92.6,21.975) ; v1@83.515,45.898 83.54,45.873 86.511,45.873 87.224,45.161 87.224,39.548 88.316,38.456 88.316,30.509 88.854,29.971 88.854,28.396 89.875,27.375 89.875,25.45 91.925,23.4 91.925,23.2 92.275,22.85 93.225,22.85 94.763,21.312 94.763,19.962 95.417,19.308 95.417,19.051 95.585,18.883 95.585,15.82 v1(95.624,15.781) ; v1@83.515,87.198 83.538,87.176 89.328,87.176 89.331,87.173 91.11,87.173 93.929,84.353 96.952,84.353 98.095,83.21 98.095,78.994 99.782,77.307 99.782,71.948 100.533,71.196 100.533,65.608 100.914,65.227 100.914,35.001 100.533,34.62 100.533,29.356 98.093,26.915 97.444,26.915 v1(97.405,26.876) ; v1@83.515,87.859 83.538,87.836 94.485,87.836 95.682,86.639 96.418,86.639 98.671,84.387 98.671,79.917 100.711,77.876 100.711,72.619 101.117,72.212 101.117,66.243 105.613,61.747 105.613,60.369 105.776,60.206 105.776,56.419 105.63,56.273 105.63,54.218 105.776,54.072 105.776,49.908 105.63,49.762 105.63,47.519 105.776,47.373 105.776,43.116 105.63,42.97 105.63,40.735 105.776,40.589 105.776,38.243 103.042,35.509 102.387,35.509 101.194,34.315 101.194,29.241 98.766,26.814 98.766,26.564 98.252,26.05 v1(97.4,26.05) ; v1@83.572,58.783 88.036,54.319 88.036,52.324 90.678,49.682 90.678,29.286 91.4,28.564 v1(91.4,25.725) ; v1@83.617,46.533 83.618,46.534 86.943,46.534 89.002,44.475 89.002,31.181 89.35,30.833 89.35,28.666 90.4,27.616 90.4,25.569 91.944,24.025 92.642,24.025 95.172,21.495 95.172,20.214 95.671,19.715 95.671,19.156 95.975,18.852 v1(95.975,16.86) ; v1(96.858,23.345) 96.858,23.272 96.708,23.122 96.708,21.831 96.74,21.799 96.74,20.507 97.523,19.725 98.48,19.725 99.882,18.323 99.882,17.999 98.883,17 v1(98.125,17) ; v1@109.347,61.849 109.363,61.833 v1(109.374,61.833) 110.867,61.833 112.05,60.65 112.05,37.885 v1(113.869,36.066) ; v1(109.374,63.078) 111.522,63.078 112.54,62.06 112.54,38.265 113.565,37.24 114.062,37.24 114.381,36.922 v1(114.381,35.403) ; v1@109.398,61.265 109.49,61.173 110.464,61.173 111.312,60.325 111.312,40.837 110.922,40.447 110.922,39.828 111.325,39.425 111.325,38.068 112.305,37.087 v1(112.305,36.627) ; v1@109.414,76.851 114.208,76.851 115.965,75.093 115.965,39.582 118.653,36.895 118.653,33.026 v1(118.631,33.004) ; v1@109.423,60.325 109.439,60.309 110.023,60.309 110.531,59.801 110.531,38.207 111.755,36.983 v1(111.755,36.527) ; v1@109.449,74.955 109.458,74.946 111.998,74.946 114.173,72.771 114.173,38.76 115.571,37.362 115.571,35.115 114.844,34.388 114.844,32.806 115.242,32.408 115.242,32.106 115.439,31.908 v1(115.439,31.834) ; v1@109.474,75.667 109.474,75.632 109.5,75.607 113.039,75.607 114.877,73.769 114.877,39.505 117.39,36.991 117.39,33.61 v1(118.825,32.175) ; v1@109.499,74.066 110.109,74.066 110.354,73.822 110.354,69.047 113.411,65.989 113.411,37.962 113.878,37.494 114.506,37.494 115.181,36.819 v1(115.181,35.277)
  L6 w0.381: v1(72.847,96.291) v1(75.616,96.291)
  L6 w0.508: v1@57.353,74.524 55.931,73.101 51.257,73.101 50.063,74.295 50.063,85.268 54.481,89.685 57.106,89.685 57.502,90.081 58.026,90.081 58.572,90.627 60.536,90.627 62.517,92.608 68.608,92.608 69.275,93.275 69.275,93.7 v1(69.225,93.75) ; v1@57.353,81.407 57.353,81.178 56.954,80.779 56.533,80.779 56.21,81.102 56.21,85.036 57.607,86.433 60.008,86.433 62.446,88.871 62.605,88.871 63.462,89.729 65.365,89.729 65.84,90.203 65.84,90.233 66.18,90.573 66.21,90.573 66.988,91.351 68.669,91.351 70.002,92.685 v1(70.002,93.828) ; v1@57.404,67.64 56.312,66.548 50.597,66.548 49.428,67.716 49.428,85.649 54.1,90.32 56.843,90.32 57.785,91.262 59.766,91.262 61.112,92.608 61.112,94.717 62.646,96.25 65.475,96.25 v1(67.85,93.875) ; v1(70.714,93.523) 70.714,92.481 72.568,90.627 72.568,65.049 74.168,63.449 81.407,63.449 v1@82.474,64.516 ; v1(71.374,93.701) 71.374,92.964 74.498,89.84 74.498,71.069 75.59,69.977 81.102,69.977 v1@82.499,71.374 ; v1(72.032,93.767) 72.032,93.221 75.374,89.879 75.374,78.181 76.237,77.318 81.534,77.318 v1@82.499,78.283 ; v1(73.673,93.904) 73.673,92.773 74.473,91.973 79.654,91.973 81.305,90.322 81.305,84.836 81.603,84.538 82.024,84.538 82.525,85.039 v1@82.525,85.166 ; v1(75.273,93.98) 75.273,93.789 75.794,93.269 76.454,93.269 77.165,93.98 77.165,95.936 79.035,97.805 105.617,97.805 108.585,94.838 108.585,92.912 107.544,91.87 107.544,88.999 107.254,88.71 107.254,86.655 107.552,86.357 107.973,86.357 v1@108.331,86.716 ; v1(102.904,93.735) 103.169,93.469 103.314,93.469 103.743,93.039 103.743,92.802 105.44,91.105 105.44,87.379 107.269,85.549 107.269,80.573 107.254,80.558 107.254,72.863 107.552,72.565 107.973,72.565 v1@108.356,72.949 ; v1(102.944,94.368) 102.875,94.437 102.454,94.437 101.249,93.231 101.249,80.017 105.078,76.188 105.078,74.007 107.269,71.816 107.269,67.869 ; 107.254,67.869 107.254,65.974 107.638,65.59 108.059,65.59 108.382,65.913 v1@108.382,66.065
  L6 w0.762: 22.23,44.946 24.168,46.884 32.055,46.884 ; 22.23,85.946 24.168,87.884 32.055,87.884 33.992,85.946 32.055,84.008 32.055,46.884 ; 33.992,44.946 32.055,46.884